# KiCad board Atari TT030.kicad_pcb (continued)
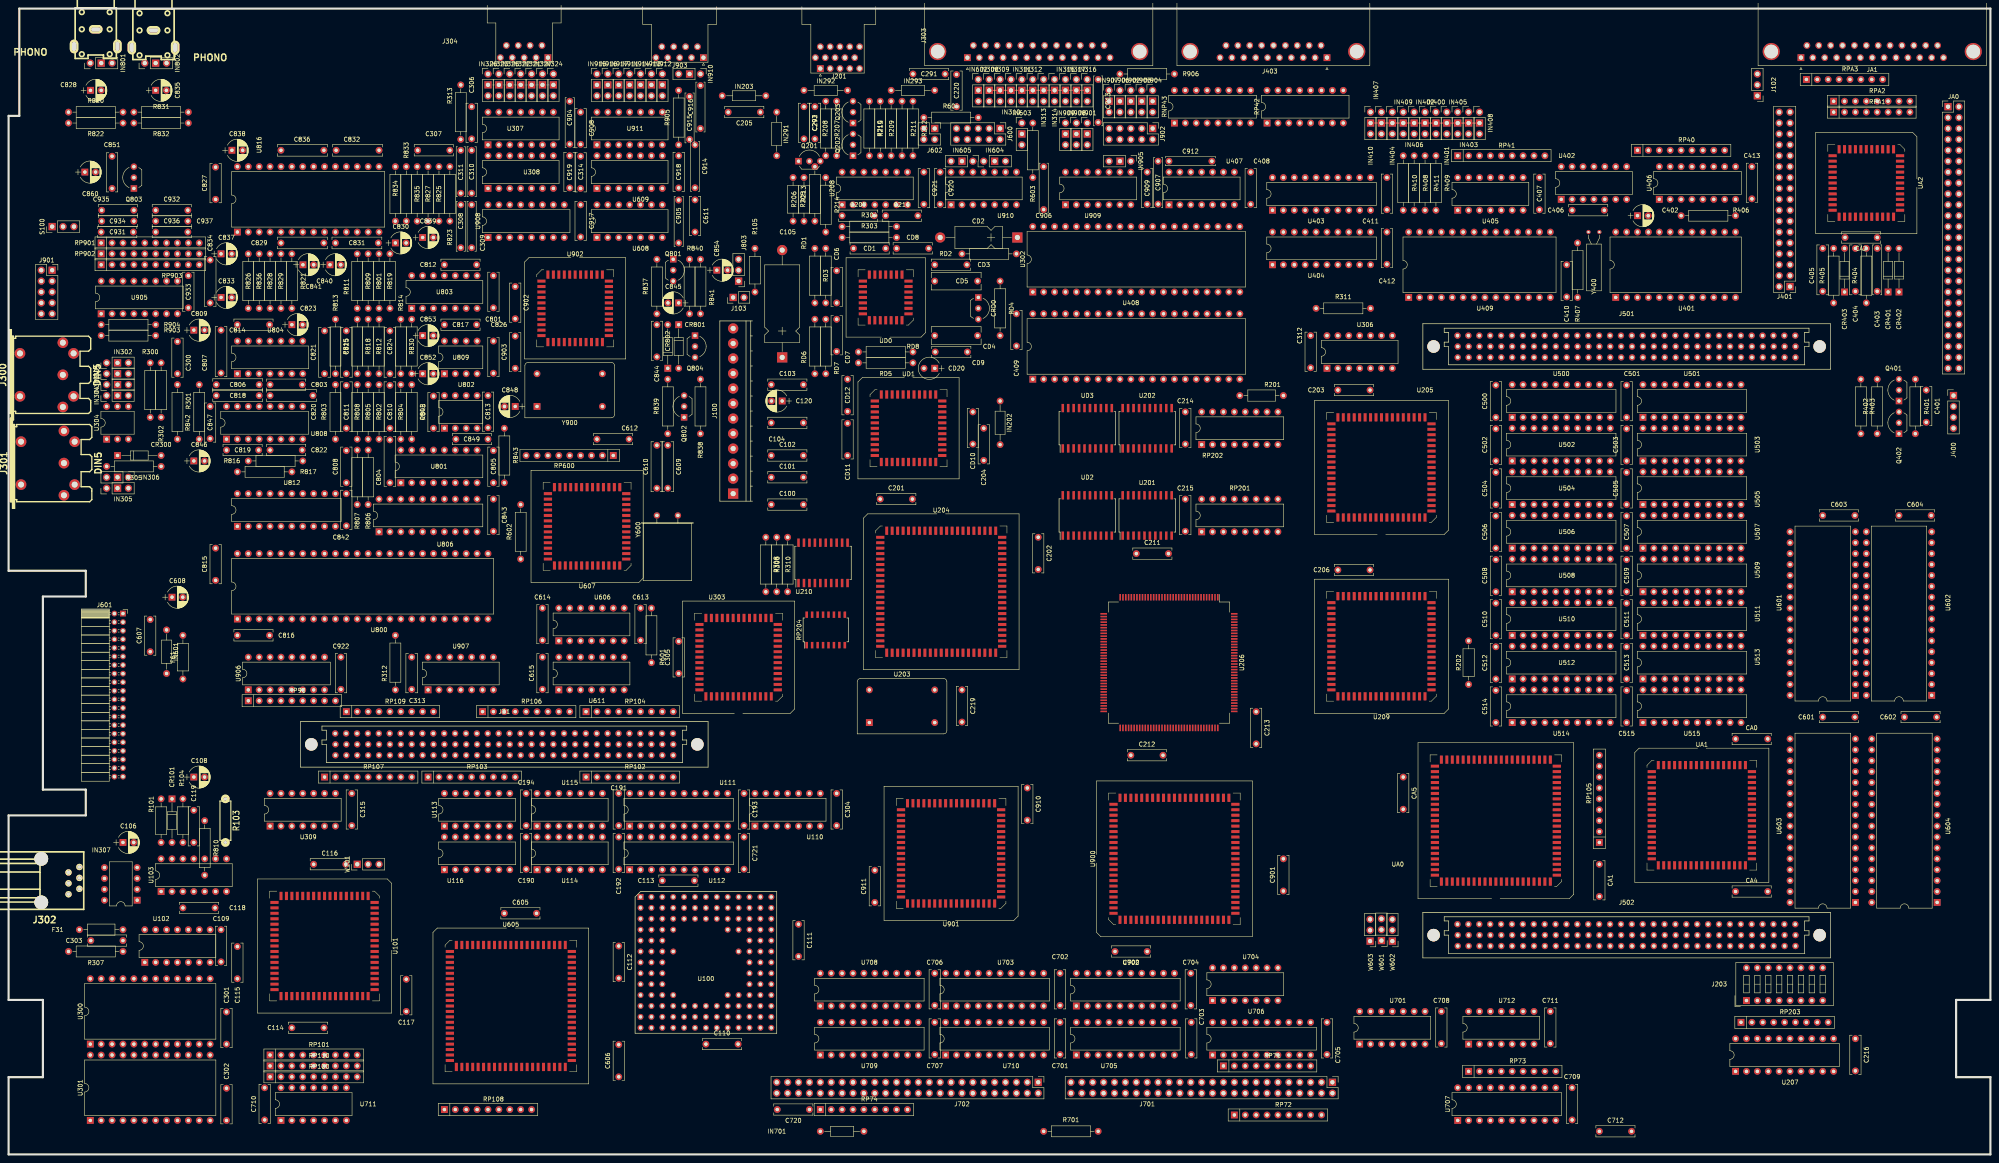
[diagram p0: board, top side]
## Nets (continued)
/CPU & FPU/A15: J502.21 J601.20 JB1.16 RP105.9 U206.1 U601.28 U602.28 U603.28 U604.28 U605.31 U709.17 U900.31 UA0.31
/CPU & FPU/A16: J502.22 JB1.17 RP108.2 U206.2 U601.29 U602.29 U603.29 U604.29 U605.34 U702.3 U710.2 U711.1 U900.32 UA0.32
/CPU & FPU/A17: J502.23 JB1.18 RP108.3 U206.3 U605.35 U702.4 U710.4 U711.2 U900.34 UA0.34 W602.3
/CPU & FPU/A18: J502.24 JB1.19 RP108.4 U206.4 U605.36 U702.5 U710.6 U711.3 U900.35 UA0.35 W601.1 W603.3
/CPU & FPU/A19: J502.25 JB1.20 RP108.5 U206.5 U605.37 U702.6 U710.8 U711.4 U900.36 UA0.36
/CPU & FPU/A20: J502.26 JB1.21 RP108.6 U206.6 U605.38 U710.11 U711.5 U900.39 UA0.39
/CPU & FPU/A21: J502.27 JB1.22 RP108.7 U206.7 U605.39 U710.13 U711.6 U900.40 UA0.40
/CPU & FPU/A22: J502.38 JB1.23 RP108.8 U206.8 U605.40 U710.15 U711.12 U900.41 UA0.41
/CPU & FPU/A23: J502.39 JB1.24 RP108.9 U206.9 U605.41 U710.17 U711.11 U900.42 UA0.42
/CPU & FPU/A24: J502.40 JB1.25 RP104.2 U206.10 U605.42 U703.1 U900.43 UA0.43
/CPU & FPU/A25: J502.41 JB1.26 RP104.3 U206.11 U605.43 U703.2 U900.44 UA0.44
/CPU & FPU/A26: J502.42 JB1.27 RP104.4 U206.12 U605.44 U703.3 U900.45 UA0.45
/CPU & FPU/A27: J502.43 JB1.28 RP104.5 U206.13 U605.45 U703.4 U900.46 UA0.46
/CPU & FPU/A28: J502.44 JB1.29 RP104.6 U206.14 U605.46 U703.5 U900.47 UA0.47
/CPU & FPU/A29: J502.45 JB1.30 RP104.7 U206.15 U605.47 U703.6 U900.48 UA0.48
/CPU & FPU/A30: J502.46 JB1.31 RP104.8 U206.16 U605.48 U703.7 U900.49 UA0.49
/CPU & FPU/A31: J502.47 JB1.32 RP104.9 U206.17 U605.49 U703.8 U900.52 UA0.52
/CPU & FPU/BNK5: J502.59 RP100.5 U206.94
/CPU & FPU/CLK16E: RP204.1 U110.3 U605.10 W101.3
/CPU & FPU/CLK32: U110.1 U203.8 U204.32 W101.1
/CPU & FPU/CNTL_FC0: J502.70 JB1.41 RP110.4 U206.45 U605.50 U702.7 U705.8 U900.53 UA0.53
/CPU & FPU/CNTL_FC1: J502.71 JB1.42 RP110.3 U206.46 U605.51 U702.8 U705.6 U900.54 UA0.54
/CPU & FPU/CNTL_FC2: J502.72 JB1.43 RP110.2 U206.47 U605.52 U702.9 U705.4 U900.55 UA0.55
/CPU & FPU/CNTL_RXW: J502.75 JB1.46 RP110.9 U101.28 U112.7 U204.38 U206.129 U300.13 U301.13 U303.2 U401.15 U408.1 U605.15 U607.2 U704.5 U705.11 U800.24 U900.8 UA0.8
/CPU & FPU/CNTL_SZ0: J502.76 JB1.47 RP110.6 U206.83 U605.9 U703.14 U900.6 UA0.6
/CPU & FPU/CNTL_SZ1: J502.77 JB1.48 RP110.5 U206.82 U605.8 U703.13 U900.7 UA0.7
/CPU & FPU/CNTL_XAS: J502.73 JB1.44 RP110.8 U101.21 U110.9 U112.18 U206.36 U605.13 U704.1 U900.10 UA0.10
/CPU & FPU/CNTL_XBERR: J701.33 RP101.6 U113.2 U605.7 U900.1 UA0.1
/CPU & FPU/CNTL_XBG: U112.11
/CPU & FPU/CNTL_XBGA: J502.83 RP101.9 U112.9 U206.121 U900.82 UA0.82
/CPU & FPU/CNTL_XBR: J502.81 RP101.8 U206.120 U900.84 UA0.84
/CPU & FPU/CNTL_XDS: J502.74 JB1.45 RP110.7 U101.20 U112.19 U206.71 U303.51 U605.14 U607.51 U800.27 U900.9 UA0.9
/CPU & FPU/CNTL_XDS0: J502.79 RP101.4 U101.31 U116.12 U206.126 U900.4 UA0.4
/CPU & FPU/CNTL_XDS1: J502.80 RP101.5 U101.32 U116.2 U206.127 U303.50 U605.6 U607.50 U900.5 UA0.5
/CPU & FPU/CNTL_XPOR: JB1.50 RP101.2 U102.2 U605.32
/CPU & FPU/CNTL_XRES: J502.78 J701.36 RP101.3 U102.4 U102.8 U111.2 U204.41 U206.105 U302.23 U303.24 U403.17 U409.13 U607.24 U800.31 U900.80 UA0.80 UA2.31
/CPU & FPU/CNTL_XSTM: JB1.49 RP101.7 U115.2 U900.3 UA0.3
/CPU & FPU/D0: JB1.65 RP107.2 U101.3 U205.13 U604.13 U900.57 U901.11 UA1.11
/CPU & FPU/D1: JB1.66 RP107.3 U101.2 U205.15 U604.14 U900.58 U901.12 UA1.12
/CPU & FPU/D2: JB1.67 RP107.4 U101.1 U205.38 U604.15 U900.59 U901.13 UA1.13
/CPU & FPU/D3: JB1.68 RP107.5 U101.68 U205.40 U604.17 U900.60 U901.14 UA1.14
/CPU & FPU/D4: JB1.69 RP107.6 U101.67 U205.46 U604.18 U900.61 U901.15 UA1.15
/CPU & FPU/D5: JB1.70 RP107.7 U101.66 U205.48 U604.19 U900.62 U901.16 UA1.16
/CPU & FPU/D6: JB1.71 RP107.8 U101.65 U205.3 U604.20 U900.63 U901.17 UA1.17
/CPU & FPU/D7: JB1.72 RP107.9 U101.64 U205.5 U604.21 U900.64 U901.18 UA1.18
/CPU & FPU/D8: JB1.73 RP103.2 U101.62 U209.13 U603.13 U901.19 UA1.19
/CPU & FPU/D9: JB1.74 RP103.3 U101.60 U209.15 U603.14 U901.20 UA1.20
/CPU & FPU/D10: JB1.75 RP103.4 U101.59 U209.38 U603.15 U901.21 UA1.21
/CPU & FPU/D11: JB1.76 RP103.5 U101.58 U209.40 U603.17 U901.22 UA1.22
/CPU & FPU/D12: JB1.77 RP103.6 U101.57 U209.46 U603.18 U901.23 UA1.23
/CPU & FPU/D13: JB1.78 RP103.7 U101.56 U209.48 U603.19 U901.24 UA1.24
/CPU & FPU/D14: JB1.79 RP103.8 U101.55 U209.3 U603.20 U901.29 UA1.29
/CPU & FPU/D15: JB1.80 RP103.9 U101.54 U209.5 U603.21 U901.30 UA1.30
/CPU & FPU/D16: J502.48 J601.17 JB1.81 RP106.2 U101.50 U204.59 U205.12 U206.57 U303.41 U401.4 U408.4 U602.13 U605.55 U607.41 U706.9 U901.31 UA0.57 UA1.31
/CPU & FPU/D17: J502.49 J601.18 JB1.82 RP106.3 U101.49 U204.58 U205.14 U206.58 U303.42 U401.5 U408.5 U602.14 U605.56 U607.42 U706.8 U901.32 UA0.58 UA1.32
/CPU & FPU/D18: J502.50 J601.15 JB1.83 RP106.4 U101.48 U204.57 U205.37 U206.59 U303.43 U401.6 U408.6 U602.15 U605.57 U607.43 U706.7 U901.33 UA0.59 UA1.33
/CPU & FPU/D19: J502.51 J601.16 JB1.84 RP106.5 U101.47 U204.56 U205.39 U206.60 U303.44 U401.7 U408.7 U602.17 U605.58 U607.44 U706.6 U901.34 UA0.60 UA1.34
/CPU & FPU/D20: J502.52 J601.13 JB1.85 RP106.6 U101.46 U204.55 U205.47 U206.61 U303.45 U401.8 U408.8 U602.18 U605.59 U607.45 U706.5 U901.35 UA0.61 UA1.35
/CPU & FPU/D21: J502.53 J601.14 JB1.86 RP106.7 U101.45 U204.52 U205.49 U206.66 U303.46 U401.9 U408.9 U602.19 U605.60 U607.46 U706.4 U901.36 UA0.62 UA1.36
/CPU & FPU/D22: J502.54 J601.11 JB1.87 RP106.8 U101.44 U204.51 U205.4 U206.67 U303.47 U401.10 U408.10 U602.20 U605.61 U607.47 U706.3 U901.37 UA0.63 UA1.37
/CPU & FPU/D23: J502.55 J601.12 JB1.88 RP106.9 U101.42 U204.50 U205.6 U206.68 U303.48 U401.11 U408.11 U602.21 U605.62 U607.48 U706.2 U901.38 UA0.64 UA1.38
/CPU & FPU/D24: J502.56 J601.9 JB1.89 RP102.2 U101.40 U204.49 U206.69 U207.18 U209.12 U300.22 U301.22 U302.37 U408.12 U601.13 U707.2 U901.39 UA1.39
/CPU & FPU/D25: J502.57 J601.10 JB1.90 RP102.3 U101.39 U204.48 U206.70 U207.16 U209.14 U300.21 U301.21 U302.36 U408.13 U601.14 U707.3 U901.40 UA1.40
/CPU & FPU/D26: J502.58 J601.7 JB1.91 RP102.4 U101.38 U204.47 U206.18 U207.14 U209.37 U300.20 U301.20 U302.35 U408.14 U601.15 U707.4 U901.41 UA1.41
/CPU & FPU/D27: J601.8 JB1.92 RP102.5 U101.37 U204.46 U207.12 U209.39 U300.19 U301.19 U302.34 U408.15 U601.17 U707.5 U901.46 UA1.46
/CPU & FPU/D28: J601.5 JB1.93 RP102.6 U101.36 U204.45 U207.9 U209.47 U300.18 U301.18 U302.33 U408.16 U601.18 U707.6 U901.47 UA1.47
/CPU & FPU/D29: J601.6 JB1.94 RP102.7 U101.35 U204.44 U207.7 U209.49 U300.17 U301.17 U302.32 U408.17 U601.19 U707.7 U901.48 UA1.48
/CPU & FPU/D30: J601.3 JB1.95 RP102.8 U101.34 U204.43 U207.5 U209.4 U300.16 U301.16 U302.31 U408.18 U601.20 U707.8 U901.49 UA1.49
/CPU & FPU/D31: J601.4 JB1.96 RP102.9 U101.33 U204.42 U207.3 U209.6 U300.15 U301.15 U302.30 U408.19 U601.21 U707.9 U901.50 UA1.50
/CPU & FPU/PWRGOOD: C100.1 CR101.1 J100.1 R406.1 RP100.2 U103.6 U401.16 U406.4
/CPU & FPU/XAVEC: RP100.7 U115.12 U605.84
/CPU & FPU/XCBACK: JB1.52 RP100.8 U114.2
/CPU & FPU/XCBRQ: JB1.51 U112.6
/CPU & FPU/XCIIN: RP100.9 U114.12 U206.125
/CPU & FPU/XFFS1: U111.19 U114.10
/CPU & FPU/XFFS3: U112.17 U114.4
/CPU & FPU/XFPUCS: U101.29 U605.5
/CPU & FPU/XIPL0: U605.63
/CPU & FPU/XIPL1: U605.64
/CPU & FPU/XIPL2: U605.65
/Sheet2/CLK2: J502.90 RP204.6 U206.85 U302.22 U309.8 U800.1
/Sheet2/CLK4: U204.30 U303.39 U607.39
/Sheet2/CLK16A: RP204.2 U206.86 U900.13
/Sheet2/CLK16C: J502.95 RP204.4
/Sheet2/CLK16D: RP204.5 U704.3 U705.2
/Sheet2/CLK16F: RP204.7 U800.16
/Sheet2/CLKE: U206.21 U300.14 U301.14
/Sheet2/CLKX5: U206.84 U300.3 U300.4 U301.3 U301.4
/Sheet2/CNTL_XBG: U206.42
/Sheet2/DE: J502.87 U204.7 U206.73
/Sheet2/FCCLK: U206.44 U409.18 U800.25 U802.2 U809.2
/Sheet2/GIBC1: U206.80 U302.29
/Sheet2/GIDIR: U206.79 U302.27
/Sheet2/HSYNC: J502.89 U204.8 U206.106 U605.80
/Sheet2/KBDCS: U206.37 U300.8 U301.8
/Sheet2/MD0: J501.6 U205.21 U500.1
/Sheet2/MD1: J501.7 U205.25 U500.2
/Sheet2/MD2: J501.8 U205.30 U500.18
/Sheet2/MD3: J501.9 U205.34 U500.19
/Sheet2/MD4: J501.10 U205.55 U501.1
/Sheet2/MD5: J501.11 U205.59 U501.2
/Sheet2/MD6: J501.12 U205.64 U501.18
/Sheet2/MD7: J501.13 U205.68 U501.19
/Sheet2/MD8: J501.14 U209.21 U502.1
/Sheet2/MD9: J501.15 U209.25 U502.2
/Sheet2/MD10: J501.16 U209.30 U502.18
/Sheet2/MD11: J501.17 U209.34 U502.19
/Sheet2/MD12: J501.18 U209.55 U503.1
/Sheet2/MD13: J501.19 U209.59 U503.2
/Sheet2/MD14: J501.20 U209.64 U503.18
/Sheet2/MD15: J501.21 U209.68 U503.19
/Sheet2/MD16: J501.22 U205.20 U504.1
/Sheet2/MD17: J501.23 U205.24 U504.2
/Sheet2/MD18: J501.24 U205.29 U504.18
/Sheet2/MD19: J501.25 U205.33 U504.19
/Sheet2/MD20: J501.26 U205.54 U505.1
/Sheet2/MD21: J501.27 U205.58 U505.2
/Sheet2/MD22: J501.38 U205.63 U505.18
/Sheet2/MD23: J501.39 U205.67 U505.19
/Sheet2/MD24: J501.40 U209.20 U506.1
/Sheet2/MD25: J501.41 U209.24 U506.2
/Sheet2/MD26: J501.42 U209.29 U506.18
/Sheet2/MD27: J501.43 U209.33 U506.19
/Sheet2/MD28: J501.44 U209.54 U507.1
/Sheet2/MD29: J501.45 U209.58 U507.2
/Sheet2/MD30: J501.46 U209.63 U507.18
/Sheet2/MD31: J501.47 U209.67 U507.19
/Sheet2/MD32: J501.48 U205.19 U508.1
/Sheet2/MD33: J501.49 U205.23 U508.2
/Sheet2/MD34: J501.50 U205.28 U508.18
/Sheet2/MD35: J501.51 U205.32 U508.19
/Sheet2/MD36: J501.52 U205.53 U509.1
/Sheet2/MD37: J501.53 U205.57 U509.2
/Sheet2/MD38: J501.54 U205.62 U509.18
/Sheet2/MD39: J501.55 U205.66 U509.19
/Sheet2/MD40: J501.56 U209.19 U510.1
/Sheet2/MD41: J501.57 U209.23 U510.2
/Sheet2/MD42: J501.58 U209.28 U510.18
/Sheet2/MD43: J501.59 U209.32 U510.19
/Sheet2/MD44: J501.70 U209.53 U511.1
/Sheet2/MD45: J501.71 U209.57 U511.2
/Sheet2/MD46: J501.72 U209.62 U511.18
/Sheet2/MD47: J501.73 U209.66 U511.19
/Sheet2/MD48: J501.74 U205.18 U512.1
/Sheet2/MD49: J501.75 U205.22 U512.2
/Sheet2/MD50: J501.76 U205.27 U512.18
/Sheet2/MD51: J501.77 U205.31 U512.19
/Sheet2/MD52: J501.78 U205.52 U513.1
/Sheet2/MD53: J501.79 U205.56 U513.2
/Sheet2/MD54: J501.80 U205.61 U513.18
/Sheet2/MD55: J501.81 U205.65 U513.19
/Sheet2/MD56: J501.82 U209.18 U514.1
/Sheet2/MD57: J501.83 U209.22 U514.2
/Sheet2/MD58: J501.84 U209.27 U514.18
/Sheet2/MD59: J501.85 U209.31 U514.19
/Sheet2/MD60: J501.86 U209.52 U515.1
/Sheet2/MD61: J501.87 U209.56 U515.2
/Sheet2/MD62: J501.88 U209.61 U515.18
/Sheet2/MD63: J501.89 U209.65 U515.19
/Sheet2/MDASEL: J401.2 U206.56
/Sheet2/ODE: U204.37 U303.23 U607.23
/Sheet2/RAMC_A0: U201.13 U206.23
/Sheet2/RAMC_A1: U201.15 U206.25
/Sheet2/RAMC_A2: U201.17 U206.27
/Sheet2/RAMC_A3: U201.4 U206.33
/Sheet2/RAMC_A4: U201.2 U206.35
/Sheet2/RAMC_A5: U201.11 U206.22
/Sheet2/RAMC_A6: U201.8 U206.24
/Sheet2/RAMC_A7: U201.6 U206.26
/Sheet2/RAMC_A8: U202.2 U206.32
/Sheet2/RAMC_XCAS0: U202.11 U206.50
/Sheet2/RAMC_XCAS1: U202.13 U206.51
/Sheet2/RAMC_XCAS2: U202.15 U206.52
/Sheet2/RAMC_XCAS3: U202.17 U206.55
/Sheet2/RAMC_XRASA: U202.4 U206.101
/Sheet2/RAMC_XRASB: U202.8 U206.102
/Sheet2/RAMC_XWE: U202.6 U206.119
/Sheet2/RCNTL_A0: RP201.2 U500.6 U501.6 U502.6 U503.6 U504.6 U505.6 U506.6 U507.6 U508.6 U509.6 U510.6 U511.6 U512.6 U513.6 U514.6 U515.6
/Sheet2/RCNTL_A1: RP201.3 U500.7 U501.7 U502.7 U503.7 U504.7 U505.7 U506.7 U507.7 U508.7 U509.7 U510.7 U511.7 U512.7 U513.7 U514.7 U515.7
/Sheet2/RCNTL_A2: RP201.4 U500.8 U501.8 U502.8 U503.8 U504.8 U505.8 U506.8 U507.8 U508.8 U509.8 U510.8 U511.8 U512.8 U513.8 U514.8 U515.8
/Sheet2/RCNTL_A3: RP201.5 U500.9 U501.9 U502.9 U503.9 U504.9 U505.9 U506.9 U507.9 U508.9 U509.9 U510.9 U511.9 U512.9 U513.9 U514.9 U515.9
/Sheet2/RCNTL_A4: RP201.1 U500.11 U501.11 U502.11 U503.11 U504.11 U505.11 U506.11 U507.11 U508.11 U509.11 U510.11 U511.11 U512.11 U513.11 U514.11 U515.11
/Sheet2/RCNTL_A5: RP201.7 U500.12 U501.12 U502.12 U503.12 U504.12 U505.12 U506.12 U507.12 U508.12 U509.12 U510.12 U511.12 U512.12 U513.12 U514.12 U515.12
/Sheet2/RCNTL_A6: RP201.8 U500.13 U501.13 U502.13 U503.13 U504.13 U505.13 U506.13 U507.13 U508.13 U509.13 U510.13 U511.13 U512.13 U513.13 U514.13 U515.13
/Sheet2/RCNTL_A7: RP201.6 U500.14 U501.14 U502.14 U503.14 U504.14 U505.14 U506.14 U507.14 U508.14 U509.14 U510.14 U511.14 U512.14 U513.14 U514.14 U515.14
/Sheet2/RCNTL_A8: RP202.15 U500.15 U501.15 U502.15 U503.15 U504.15 U505.15 U506.15 U507.15 U508.15 U509.15 U510.15 U511.15 U512.15 U513.15 U514.15 U515.15
/Sheet2/RCNTL_XCAS0: RP202.11 U506.17 U507.17 U514.17 U515.17
/Sheet2/RCNTL_XCAS1: RP202.12 U512.17 U513.17
/Sheet2/RCNTL_XCAS2: RP202.16 U502.17 U503.17 U510.17 U511.17
/Sheet2/RCNTL_XCAS3: RP202.9 U508.17 U509.17
/Sheet2/RCNTL_XRASA: RP202.14 U508.4 U509.4 U510.4 U511.4 U512.4 U513.4 U514.4 U515.4
/Sheet2/RCNTL_XRASB: RP202.13 U500.4 U501.4 U502.4 U503.4 U504.4 U505.4 U506.4 U507.4
/Sheet2/RCNTL_XWE: RP202.10 U500.3 U501.3 U502.3 U503.3 U504.3 U505.3 U506.3 U507.3 U508.3 U509.3 U510.3 U511.3 U512.3 U513.3 U514.3 U515.3
/Sheet2/RDY: J502.91 RP40.6 U206.122 U408.38
/Sheet2/RTCAS: U206.112 U401.14
/Sheet2/RTCDS: U206.113 U401.17
/Sheet2/SINT: U206.81 U907.10
/Sheet2/SRQ: J502.84 U206.95 U800.17
/Sheet2/XFCS: U206.76 U408.3
/Sheet2/XLDS: J601.37 U204.34 U206.88
/Sheet2/XMONO: J201.9 R312.2 U907.12
/Sheet2/XROM1: U206.96 U601.22 U602.22 U603.22 U604.22
/Sheet2/XROM3: J601.31 U206.98
/Sheet2/XROM4: J601.33 U206.99
/Sheet2/XRTC: U206.100 U401.13
/Sheet2/XSCCBG: U206.43 U900.83
/Sheet2/XSLOAD: U206.111 U800.48
/Sheet2/XSNDCS: U205.10 U206.110 U209.10 U800.26
/Sheet2/XUDS: J601.35 U204.35 U206.114
/Sheet3/AUDIOS: C837.2 R836.1 U302.3 U302.4 U302.38
/Sheet3/BCLK: U303.19 U606.4 U902.30
/Sheet3/BUSY: IN317.2 R308.1 U303.25
/Sheet3/CDC: IN327.1 IN327.2 J304.1 R313.2 U308.13
/Sheet3/CLKDIR: R310.2 U303.28 U702.15
/Sheet3/CTSC: IN325.1 IN325.2 J304.8 U308.4
/Sheet3/D0SEL: U302.20 U406.9
/Sheet3/D1SEL: U302.19 U406.7
/Sheet3/DTRC: IN323.1 IN323.2 J304.4 U307.3
/Sheet3/FDINT: U409.28
/Sheet3/PD0: IN309.2 U302.13
/Sheet3/PD1: IN310.2 U302.12
/Sheet3/PD2: IN311.2 U302.11
/Sheet3/PD3: IN312.2 U302.10
/Sheet3/PD4: IN313.2 U302.9
/Sheet3/PD5: IN314.2 U302.8
/Sheet3/PD6: IN315.2 U302.7
/Sheet3/PD7: IN316.2 U302.6
/Sheet3/RIC: IN326.1 IN326.2 J304.9 U308.10
/Sheet3/RP90B3: RP90.3 U907.5 U907.9
/Sheet3/RTSC: IN324.1 IN324.2 J304.7 U307.8
/Sheet3/RxDC: IN321.1 IN321.2 J304.2 U308.1
/Sheet3/S0SEL: U302.21 U406.15
/Sheet3/STROBE: IN308.2 U302.16
/Sheet3/TxDC: IN322.1 IN322.2 J304.3 U307.6
/Sheet3/XHDINT: J403.10 R311.2
/Sheet3/XIACK6: U303.49 U605.83 U607.49
/Sheet3/XLAN: U302.14 U905.6 U907.4 U908.15 U910.4 U910.10 U910.12
/Sheet3/XMFP1: U303.52 U605.4
/Sheet3/XMFP1IE: U303.38 U607.37
/Sheet3/XMFPIRQ: R602.2 U303.36 U605.69 U606.11 U607.36
/Sheet3/XSPKON: U302.15
/Sheet4/DCH: J401.34 RP41.9 U606.1
/Sheet4/DDIN: IN405.2 J401.18 R411.1
/Sheet4/DMA0: U404.18 U408.36 U409.5
/Sheet4/DMA1: U404.17 U408.35 U409.6
/Sheet4/DMA2: U404.16 U408.34 U409.7
/Sheet4/DMA3: U404.15 U408.33 U409.8
/Sheet4/DMA4: U404.14 U408.32 U409.9
/Sheet4/DMA5: U404.13 U408.31 U409.10
/Sheet4/DMA6: U404.12 U408.30 U409.11
/Sheet4/DMA7: U404.11 U408.29 U409.12
/Sheet4/INDEX: IN409.2 J401.8 RP41.6 U409.24
/Sheet4/MON: IN406.2 J401.16 U405.10
/Sheet4/RDATA: J401.30 RP41.5 U409.19
/Sheet4/STEP: IN404.2 J401.20 R410.1
/Sheet4/TR0: IN401.2 J401.26 RP41.7 U409.23
/Sheet4/WDATA: IN403.2 J401.22 R409.1
/Sheet4/WGATE: IN402.2 J401.24 R408.1
/Sheet4/WP: IN400.2 J401.28 RP41.8 U409.25
/Sheet4/XRTCIRQ: C404.1 C405.1 RP600.3 U401.19 U607.31
/Sheet5/CNTL_XBG: J502.82
/Sheet5/RAMC_XCAS1: U504.17 U505.17
/Sheet5/RAMC_XCAS3: U500.17 U501.17
/Sheet6/SIA: U607.10 U608.3
/Sheet6/SOA: U607.9 U609.12 U609.13
/Sheet6/TCCLK: U607.17 U902.32
/Sheet6/VME_A1: J702.40 U708.16
/Sheet6/VME_A2: J702.37 U708.14
/Sheet6/VME_A3: J702.34 U708.12
/Sheet6/VME_A4: J702.31 U708.9
/Sheet6/VME_A5: J702.28 U708.7
/Sheet6/VME_A6: J702.25 U708.5
/Sheet6/VME_A7: J702.22 U708.3
/Sheet6/VME_A8: J702.42 U709.18
/Sheet6/VME_A9: J702.39 U709.16
/Sheet6/VME_A10: J702.36 U709.14
/Sheet6/VME_A11: J702.33 U709.12
/Sheet6/VME_A12: J702.30 U709.9
/Sheet6/VME_A13: J702.27 U709.7
/Sheet6/VME_A14: J702.24 U709.5
/Sheet6/VME_A15: J702.21 U709.3
/Sheet6/VME_A16: J702.18 U710.18
/Sheet6/VME_A17: J702.15 U710.16
/Sheet6/VME_A18: J702.12 U710.14
/Sheet6/VME_A19: J702.9 U710.12
/Sheet6/VME_A20: J702.6 U710.9
/Sheet6/VME_A21: J702.3 U710.7
/Sheet6/VME_A22: J701.48 U710.5
/Sheet6/VME_A23: J701.45 U710.3
/Sheet6/VME_AM0: J701.47 U705.12
/Sheet6/VME_AM1: J702.2 U705.14
/Sheet6/VME_AM2: J702.5 U705.16
/Sheet6/VME_AM4: J702.19 U711.8
/Sheet6/VME_AMH: J701.42 J702.8 RP72.2
/Sheet6/VME_BGOUT: J701.14 J701.20 J701.26 J701.32 RP72.5
/Sheet6/VME_D0: J701.1 RP71.9 U706.11
/Sheet6/VME_D1: J701.4 RP71.8 U706.12
/Sheet6/VME_D2: J701.7 RP71.7 U706.13
/Sheet6/VME_D3: J701.10 RP71.6 U706.14
/Sheet6/VME_D4: J701.13 RP71.5 U706.15
/Sheet6/VME_D5: J701.16 RP71.4 U706.16
/Sheet6/VME_D6: J701.19 RP71.3 U706.17
/Sheet6/VME_D7: J701.22 RP71.2 U706.18
/Sheet6/VME_D8: J701.3 RP73.2 U707.18
/Sheet6/VME_D9: J701.6 RP73.3 U707.17
/Sheet6/VME_D10: J701.9 RP73.4 U707.16
/Sheet6/VME_D11: J701.12 RP73.5 U707.15
/Sheet6/VME_D12: J701.15 RP73.6 U707.14
/Sheet6/VME_D13: J701.18 RP73.7 U707.13
/Sheet6/VME_D14: J701.21 RP73.8 U707.12
/Sheet6/VME_D15: J701.24 RP73.9 U707.11
/Sheet6/VME_INHVME: U703.15 U712.5
/Sheet6/VME_SYSCLK: J701.28 U705.18
/Sheet6/VME_XACFAIL: J701.8 RP72.7
/Sheet6/VME_XBBSY: J701.2 RP72.9
/Sheet6/VME_XBCLR: J701.5 RP72.8
/Sheet6/VME_XBRX: J701.35 J701.38 J701.41 J701.44 RP74.9
/Sheet6/VME_XIACK: J702.10 U702.18 U703.16
/Sheet6/VME_XIAOUT: J702.16 U702.19
/Sheet6/VME_XIRQ1: J702.41 RP74.2 U605.71
/Sheet6/VME_XIRQ2: J702.38 RP74.3 U605.72
/Sheet6/VME_XIRQ3: J702.35 RP74.4 U605.73
/Sheet6/VME_XIRQ4: J702.32 RP74.5 U605.76
/Sheet6/VME_XIRQ5: J702.29 RP74.6 U605.77
/Sheet6/VME_XIRQ6: J702.26 RP74.7 U605.78
/Sheet6/VME_XIRQ7: J702.23 RP74.8 U605.79
/Sheet6/VME_XLWORD: J701.39 RP72.3
/Sheet6/VME_XSYSFAIL: J701.30 RP72.4 U605.70
/Sheet6/VME_XVAS: J702.4 U701.12 U703.18 U704.9 U712.3
/Sheet6/VME_XVDS0: J701.37 U702.14 U703.17
/Sheet6/VME_XVDS1: J701.34 U702.13 U703.19
/Sheet6/VME_XWRITE: J701.40 U705.9
/Sheet6/XBRIRQ: RP600.6 U607.28
/Sheet6/XDMAIRQ: RP600.7 U607.27 U900.2
/Sheet6/XIACK5: U605.82 U900.33 U902.9
/Sheet6/XMFP2: U605.3 U607.52
/Sheet6/XSCCIRQ: R601.2 U605.68 U606.9 U902.6
/Sheet6/XSYSI: U605.67 U702.1
/Sheet7/CNTL_XDAS: U701.6 U702.11 U703.11
/Sheet7/SYNCLKI: U702.2
/Sheet7/VME_XACFAIL: U208.10
/Sheet7/VME_XVAS: U306.3
/Sheet8/MWD: U800.28 U816.1
/Sheet8/MWK: U800.29 U816.2
/Sheet8/SD_0: U800.12 U806.18 U812.18
/Sheet8/SD_1: U800.13 U806.17 U812.17
/Sheet8/SD_2: U800.14 U806.14 U812.14
/Sheet8/SD_3: U800.15 U806.13 U812.13
/Sheet8/SD_4: U800.37 U806.8 U812.8
/Sheet8/SD_5: U800.36 U806.7 U812.7
/Sheet8/SD_6: U800.35 U806.4 U812.4
/Sheet8/SD_7: R810.2 U102.12 U806.3 U812.3
/Sheet8/XMWE: U800.30 U816.3
/Sheet9/#CDA: U902.22 U906.11 U908.3
/Sheet9/#CDB: U902.24 U911.3
/Sheet9/#CTSA: U902.21 U906.5 U908.7
/Sheet9/#CTSB: U902.25 U911.11
/Sheet9/#DSRA: RP90.6 U902.12 U908.5 U910.2
/Sheet9/#DSRB: U902.33 U911.8
/Sheet9/#DTRA: U902.19 U905.7 U910.9
/Sheet9/#DTRB: U609.9 U609.10 U902.27
/Sheet9/#RTSA: U902.20 U908.14 U910.13
/Sheet9/#RTSB: U609.2 U902.26
/Sheet9/#RXD: R903.1 RP901.1 U906.1
/Sheet9/#TXD: RP903.5 U905.14
/Sheet9/LAN: U906.4 U906.12 U907.6 U908.1
/Sheet9/LCLK: RP90.5 U702.12 U902.15 U906.13
/Sheet9/PCLK4: U902.13 Y900.8
/Sheet9/RDA: U902.14 U906.3 U908.9
/Sheet9/RDB: U902.31 U911.6
/Sheet9/RXD: R903.2 RP901.5 U906.2
/Sheet9/SCCAB: U900.76 U902.39
/Sheet9/SCCDC: U900.77 U902.37
/Sheet9/SYNCI: R904.1 RP902.1 U906.6 U906.14
/Sheet9/SYNCO: RP903.9 U905.11
/Sheet9/TDA: U902.16 U905.2 U910.5
/Sheet9/TDB: U609.4 U609.5 U902.29
/Sheet9/TXD: RP903.1 U905.15
/Sheet9/XSCCRD: U900.78 U902.41
/Sheet9/XSCCRQ: U900.73 U902.11
/Sheet9/XSCCWR: U900.79 U902.40
/Sheet10/CLK16B: RP204.3 UA0.13
/Sheet10/SCSIOUT_ACK: JA0.38 JA1.5 RPA1.4 UA2.16
/Sheet10/SCSIOUT_ATN: JA0.32 JA1.17 RPA1.5 UA2.17
/Sheet10/SCSIOUT_BSY: JA0.36 JA1.6 RPA1.3 UA2.15
/Sheet10/SCSIOUT_CD: JA0.46 JA1.15 RPA2.2 UA2.20
/Sheet10/SCSIOUT_D0: JA0.2 JA1.8 RPA2.7 UA2.10
/Sheet10/SCSIOUT_D1: JA0.4 JA1.21 RPA2.6 UA2.9
/Sheet10/SCSIOUT_D2: JA0.6 JA1.22 RPA2.5 UA2.8
/Sheet10/SCSIOUT_D3: JA0.8 JA1.10 RPA3.6 UA2.7
/Sheet10/SCSIOUT_D4: JA0.10 JA1.23 RPA3.5 UA2.6
/Sheet10/SCSIOUT_D5: JA0.12 JA1.11 RPA3.4 UA2.5
/Sheet10/SCSIOUT_D6: JA0.14 JA1.12 RPA3.3 UA2.4
/Sheet10/SCSIOUT_D7: JA0.16 JA1.13 RPA3.2 UA2.3
/Sheet10/SCSIOUT_IO: JA0.50 JA1.3 RPA2.4 UA2.19
/Sheet10/SCSIOUT_MSG: JA0.42 JA1.2 RPA2.3 UA2.21
/Sheet10/SCSIOUT_P: JA0.18 JA1.20 RPA3.7 UA2.11
/Sheet10/SCSIOUT_REQ: JA0.48 JA1.1 RPA1.7 UA2.22
/Sheet10/SCSIOUT_RST: JA0.40 JA1.4 RPA1.6 UA2.18
/Sheet10/SCSIOUT_SEL: JA0.44 JA1.19 RPA1.2 UA2.14
/Sheet10/SCSIRQ: U607.32 UA2.26
/Sheet10/XSCSIBG: U900.81 UA0.83
/Sheet10/XSDMAIRQ: RP600.4 U607.30 UA0.2
/Sheet11/CLK16G: JB1.54 RP204.8
/Sheet12/CLK8: RD1.2 U206.87 U407.3 U408.39 U902.23
/Sheet12/ISD0: UD1.16 UD3.3
/Sheet12/ISD1: UD1.17 UD3.5
/Sheet12/ISD2: UD1.18 UD3.7
/Sheet12/ISD3: UD1.19 UD3.9
/Sheet12/ISD4: UD1.20 UD3.12
/Sheet12/ISD5: UD1.21 UD3.14
/Sheet12/ISD6: UD1.22 UD3.16
/Sheet12/ISD7: UD1.23 UD3.18
/Sheet12/ISD8: UD1.24 UD2.3
/Sheet12/ISD9: UD1.25 UD2.5
/Sheet12/ISD10: UD1.26 UD2.7
/Sheet12/ISD11: UD1.27 UD2.9
/Sheet12/ISD12: UD1.28 UD2.12
/Sheet12/ISD13: UD1.29 UD2.14
/Sheet12/ISD14: UD1.30 UD2.16
/Sheet12/ISD15: UD1.31 UD2.18
/Sheet12/MOUT: J201.4 UD1.39
/Sheet12/RP40A2: RP40.2 U406.1 U407.4 U407.10 U407.13
/Sheet12/SD0: U204.10 U205.16 U800.11 UD3.17
/Sheet12/SD1: U204.12 U205.17 U800.10 UD3.15
/Sheet12/SD2: U204.13 U205.35 U800.9 UD3.13
/Sheet12/SD3: U204.14 U205.36 U800.8 UD3.11
/Sheet12/SD4: U204.15 U205.50 U800.5 UD3.8
/Sheet12/SD5: U204.16 U205.51 U800.4 UD3.6
/Sheet12/SD6: U204.17 U205.1 U800.3 UD3.4
/Sheet12/SD7: U204.18 U205.2 U800.2 UD3.2
/Sheet12/SD8: U204.19 U209.16 U800.47 UD2.17
/Sheet12/SD9: U204.20 U209.17 U800.46 UD2.15
/Sheet12/SD10: U204.21 U209.35 U800.45 UD2.13
/Sheet12/SD11: U204.22 U209.36 U800.44 UD2.11
/Sheet12/SD12: U204.23 U209.50 U800.41 UD2.8
/Sheet12/SD13: U204.24 U209.51 U800.40 UD2.6
/Sheet12/SD14: U204.25 U209.1 U800.39 UD2.4
/Sheet12/SD15: U204.26 U209.2 U800.38 UD2.2
/Sheet12/VLOAD: U204.28 U206.89 UD1.33
/Sheet12/VSYNC: J502.88 U204.9 U206.107 U605.81 UD1.34
/Sheet12/XDDE: U204.36 U407.12
/Sheet12/XMOUT: J201.15 UD1.38
A0: U100.A2
A1: U100.C4
A2: U100.D13
A3: U100.D12
A4: U100.C13
A5: U100.C12
A6: U100.D11
A7: U100.B13
A8: U100.B12
A9: U100.C11
A10: U100.A13
A11: U100.C10
A12: U100.B11
A13: U100.A12
A14: U100.B10
A15: U100.A11
A16: U100.B9
A17: U100.A10
A18: U100.C8
A19: U100.A9
A20: U100.B8
A21: U100.A8
A22: U100.B7
A23: U100.A7
A24: U100.A6
A25: U100.B6
A26: U100.A5
A27: U100.B5
A28: U100.A4
A29: U100.B4
A30: U100.A3
A31: U100.B3
B-5V: C804.1 C805.2 C812.2 C813.2 C814.2 C818.1 C819.2 C826.2 C848.1 C849.1 R843.1 U801.3 U802.4 U803.11 U804.11 U808.3 U809.4
CNTL_FC0: U100.D2
CNTL_FC1: U100.C1 U611.10
CNTL_FC2: U100.D1
CNTL_RXW: U100.L3
CNTL_SZ0: U100.L2
CNTL_SZ1: U100.K3
CNTL_XBG: U100.B2
CNTL_XBGA: U100.C3
CNTL_XBR: U100.A1
CNTL_XRES: U100.F12
D0: U100.K13
D1: U100.K12
D2: U100.L13
D3: U100.M13
D4: U100.L12
D5: U100.K11
D6: U100.M12
D7: U100.L11
D8: U100.N13
D9: U100.M11
D10: U100.L10
D11: U100.N12
D12: U100.M10
D13: U100.N11
D14: U100.M9
D15: U100.N10
D16: U100.N9
D17: U100.M8
D18: U100.N8
D19: U100.N7
D20: U100.M7
D21: U100.N6
D22: U100.M6
D23: U100.N5
D24: U100.M5
D25: U100.N4
D26: U100.N3
D27: U100.M4
D28: U100.N2
D29: U100.M3
D30: U100.L4
D31: U100.N1
FDINT: U306.9
GIL: C840.2 R808.2
GIR: C841.2 R818.2
HSYNC: U208.1
PWRGOOD: U208.11
SYNCLKI: U608.8
VME_XIRQ3: U611.4
VME_XIRQ5: U611.6
VME_XIRQ6: U611.8
VSYNC: U208.3
XBRIRQ: U608.6
XCBRQ: U100.K1
XCIIN: U611.2
XHDINT: U306.11 U306.12
XIPL0: U100.H13
XIPL1: U100.G13
XIPL2: U100.G12
XSPKON: U306.5 U306.6
Net-(C106-Pad1): C106.1 R101.2
Net-(C303-Pad1): C303.1 F31.1 IN307.1
Net-(C308-Pad1): C308.1 U308.2
Net-(C309-Pad1): C309.1 U308.5
Net-(C310-Pad1): C310.1 U308.12
Net-(C311-Pad1): C311.1 U308.9
Net-(C406-Pad1): C406.1 Y400.1
Net-(C406-Pad2): C406.2 U402.4
Net-(C611-Pad1): C611.1 U608.2
Net-(C802-Pad2): C802.2 C803.2 C808.2 C817.2 C822.2 C846.1 C847.1 R801.1 R806.2 R809.1 R811.2 R816.2 R819.2 R842.1 U801.13 U802.7 U804.4 U808.13 U809.7
Net-(C804-Pad2): C804.2 U801.16
Net-(C806-Pad1): C806.1 C810.2 R802.2 R804.1 U804.2
Net-(C806-Pad2): C806.2 R802.1 R805.2 U804.1
Net-(C807-Pad1): C807.1 C811.2 R803.2 R805.1 R808.1 U804.13
Net-(C807-Pad2): C807.2 C809.2 R803.1 U804.14
Net-(C809-Pad1): C809.1 C829.2 U816.9
Net-(C818-Pad2): C818.2 U808.16
Net-(C820-Pad1): C820.1 C824.2 R812.2 R814.1 U804.6
Net-(C820-Pad2): C820.2 R812.1 R815.2 U804.7
Net-(C821-Pad1): C821.1 C825.2 R813.2 R815.1 R818.1 U804.9
Net-(C821-Pad2): C821.2 C823.2 R813.1 U804.8
Net-(C828-Pad1): C828.1 R820.1
Net-(C828-Pad2): C828.2 IN801.2 R822.1
Net-(C829-Pad1): C829.1 U816.10
Net-(C830-Pad1): C830.1 R820.2 U816.14
Net-(C830-Pad2): C830.2 R825.2
Net-(C831-Pad1): C831.1 U816.12
Net-(C831-Pad2): C831.2 U816.11
Net-(C832-Pad1): C832.1 U816.18
Net-(C832-Pad2): C832.2 U816.19
Net-(C833-Pad1): C833.1 C834.1 R821.2 R829.1
Net-(C835-Pad1): C835.1 R831.1
Net-(C835-Pad2): C835.2 IN802.2 R832.1
Net-(C836-Pad1): C836.1 U816.20
Net-(C837-Pad1): C837.1 R829.2 U816.4 U816.26
Net-(C838-Pad1): C838.1 U816.27
Net-(C839-Pad1): C839.1 R831.2 U816.16
Net-(C839-Pad2): C839.2 R834.2
Net-(C840-Pad1): C840.1 U816.8
Net-(C841-Pad1): C841.1 U816.22
Net-(C845-Pad2): C845.2 R827.1 R835.1
Net-(C852-Pad1): C852.1 U803.1 U803.2
Net-(C852-Pad2): C852.2 R845.1 U802.8
